# Altium PCB spd150.PcbDoc (part 1 of 16)
Units mm, origin at the board's own origin, x right, y up, seen from the top; angles counter-clockwise.
Board outline 217.35 x 147.5 mm, 10 copper layers (TOP, LYR2-PLN, LYR3-SIG, LYR4-SIG, LYR5-PLN, LYR6-PLN, LYR7-SIG, LYR8-SIG, LYR9-PLN, BOTTOM), stack 2.134 mm thick; 1065 components, 972 nets, 4226 pads, 2810 vias.
Unrouted connection lines stored in the file: 16.
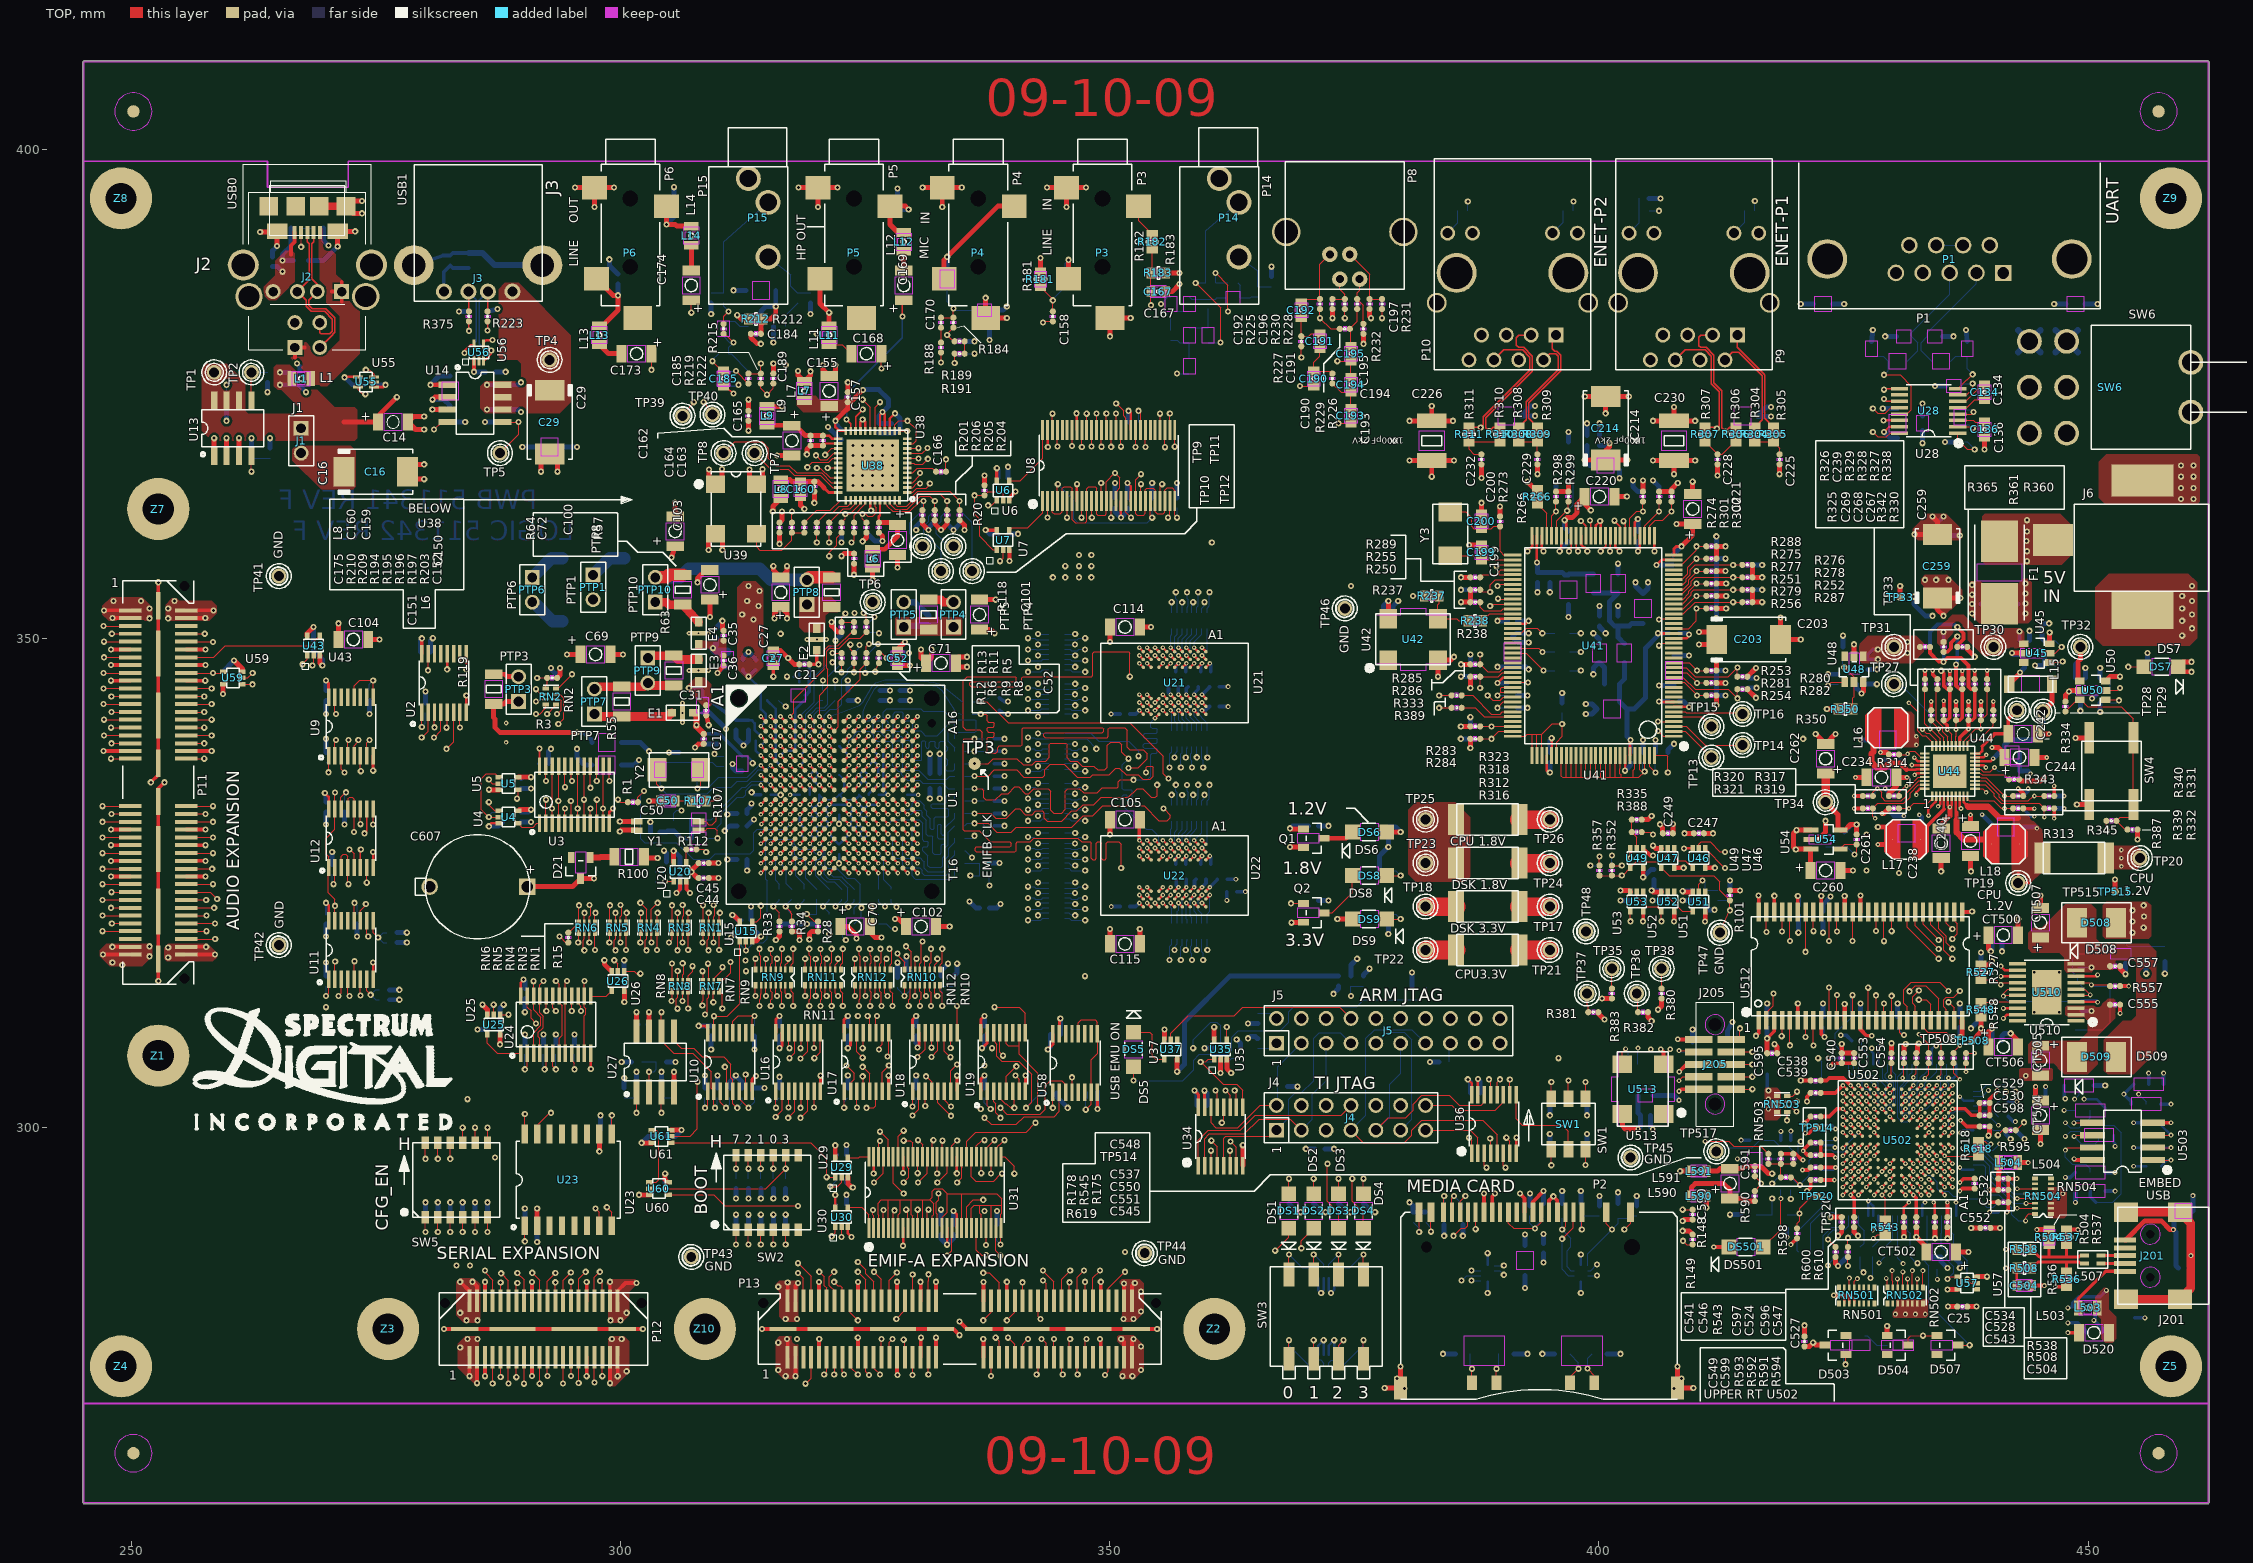
[diagram p0: TOP view]
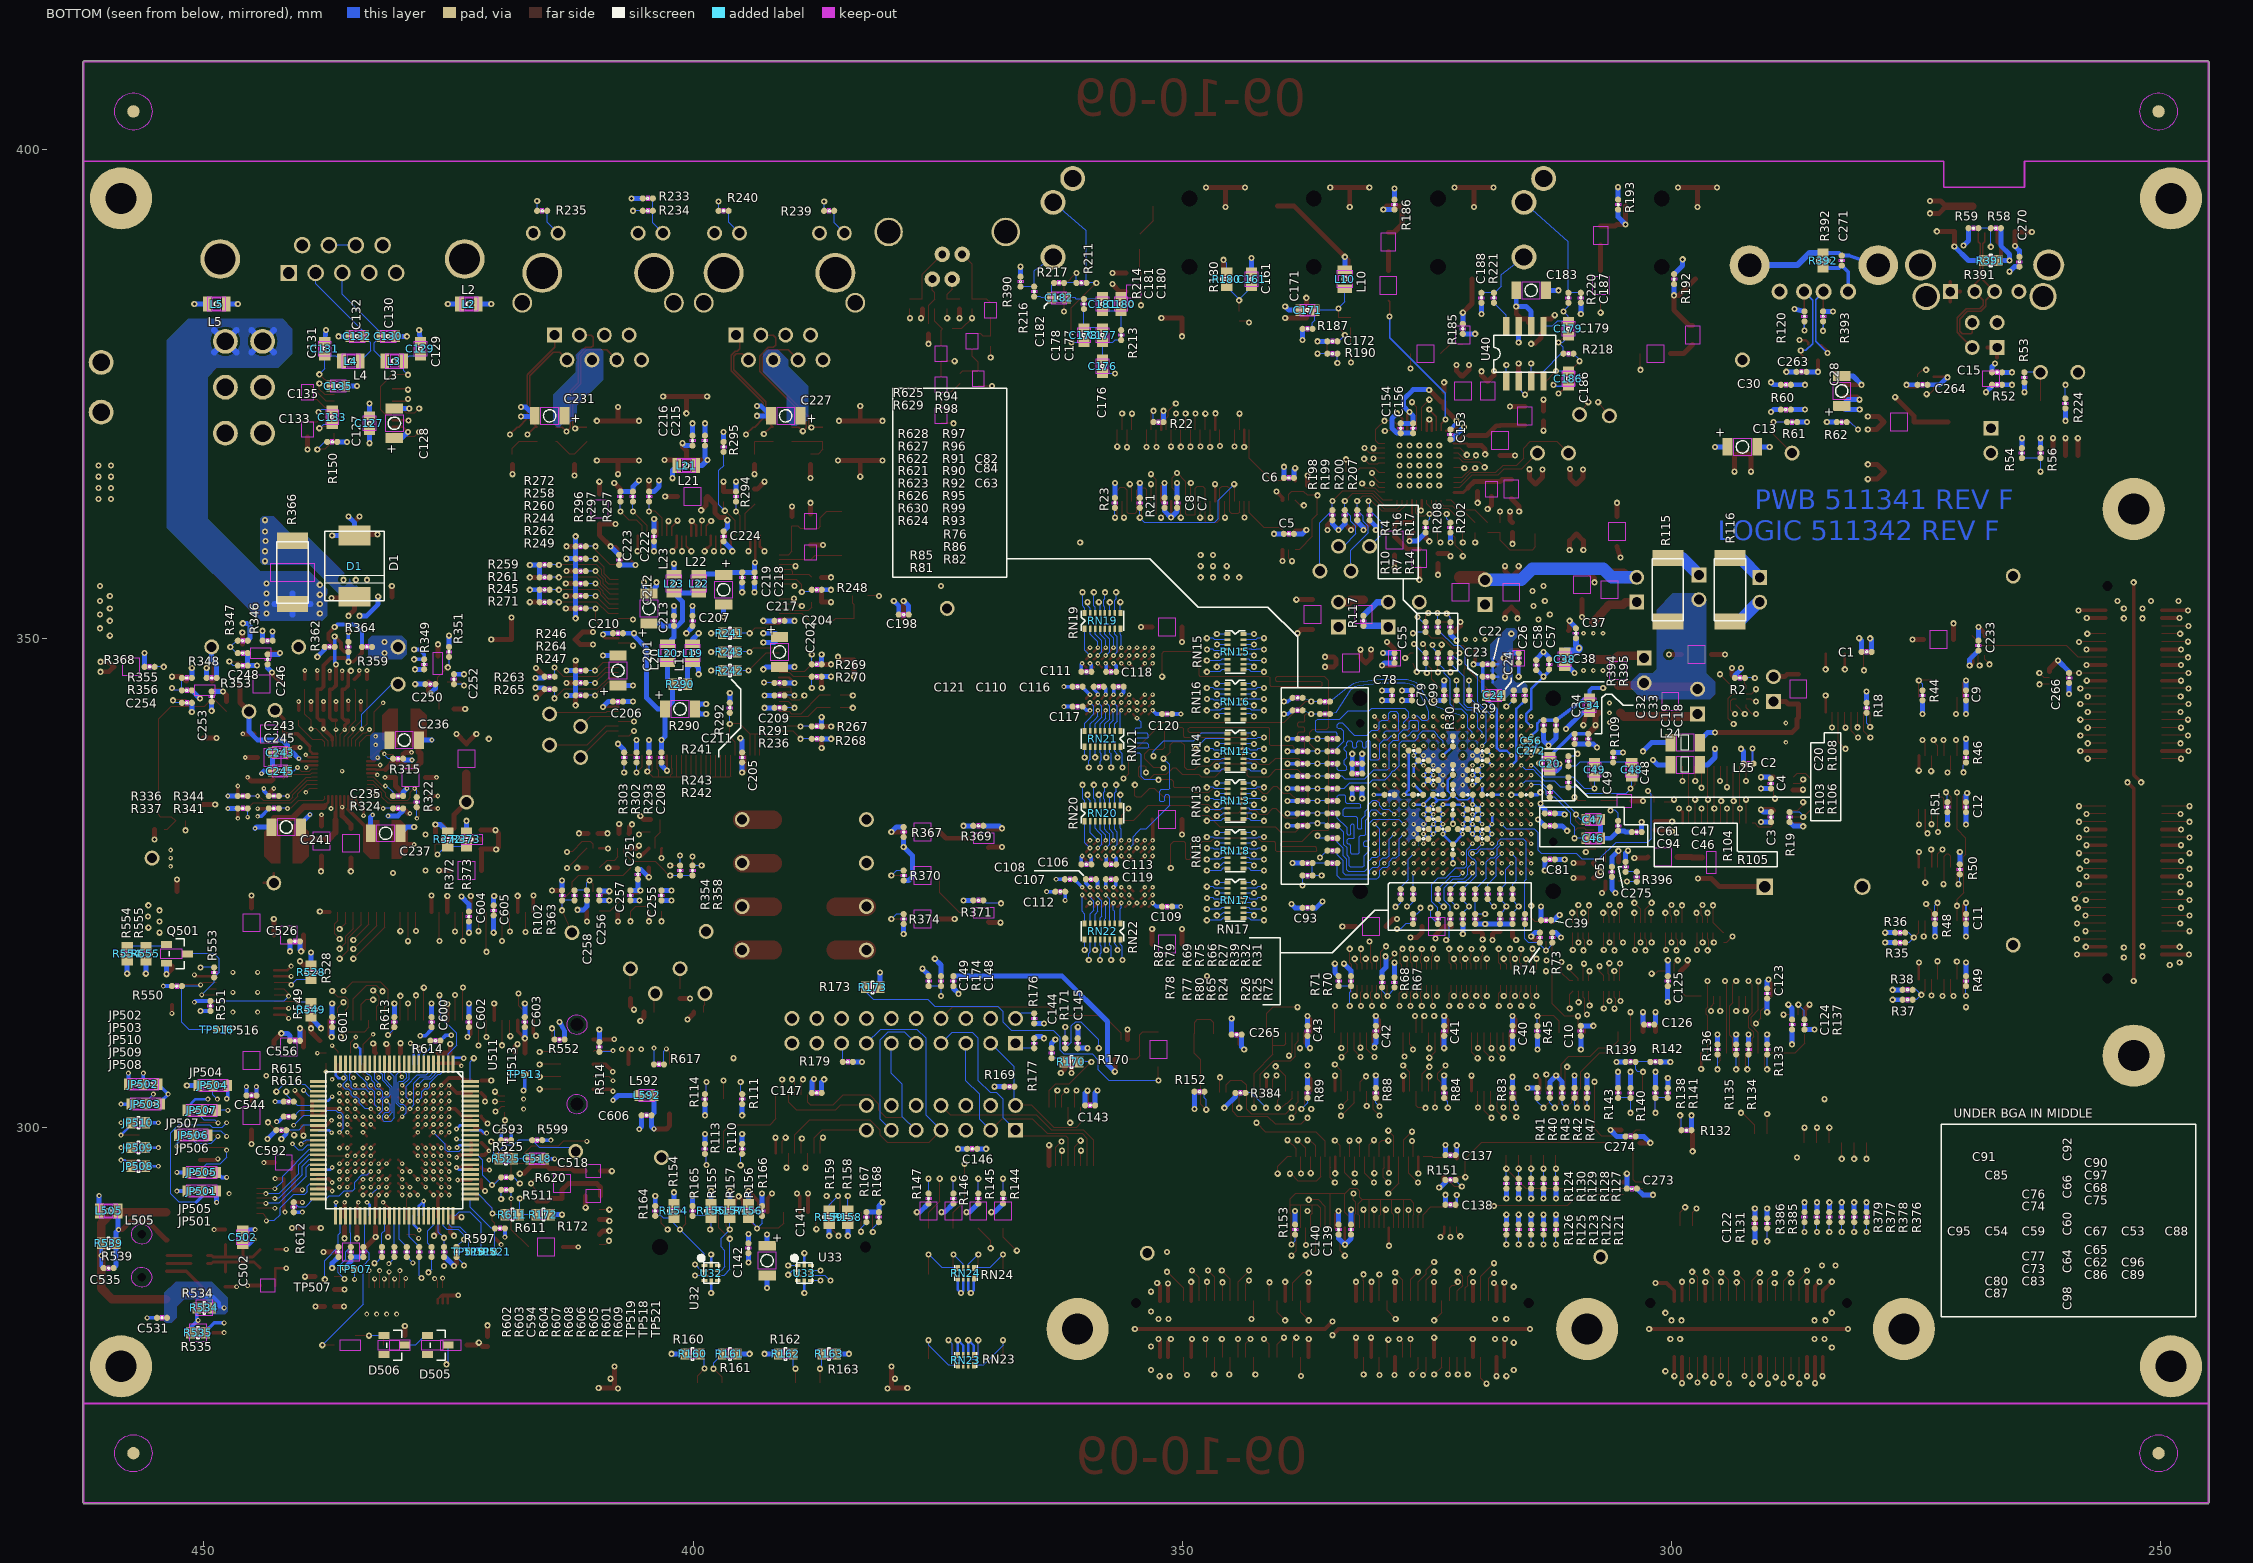
[diagram p1: BOTTOM view, seen from below]
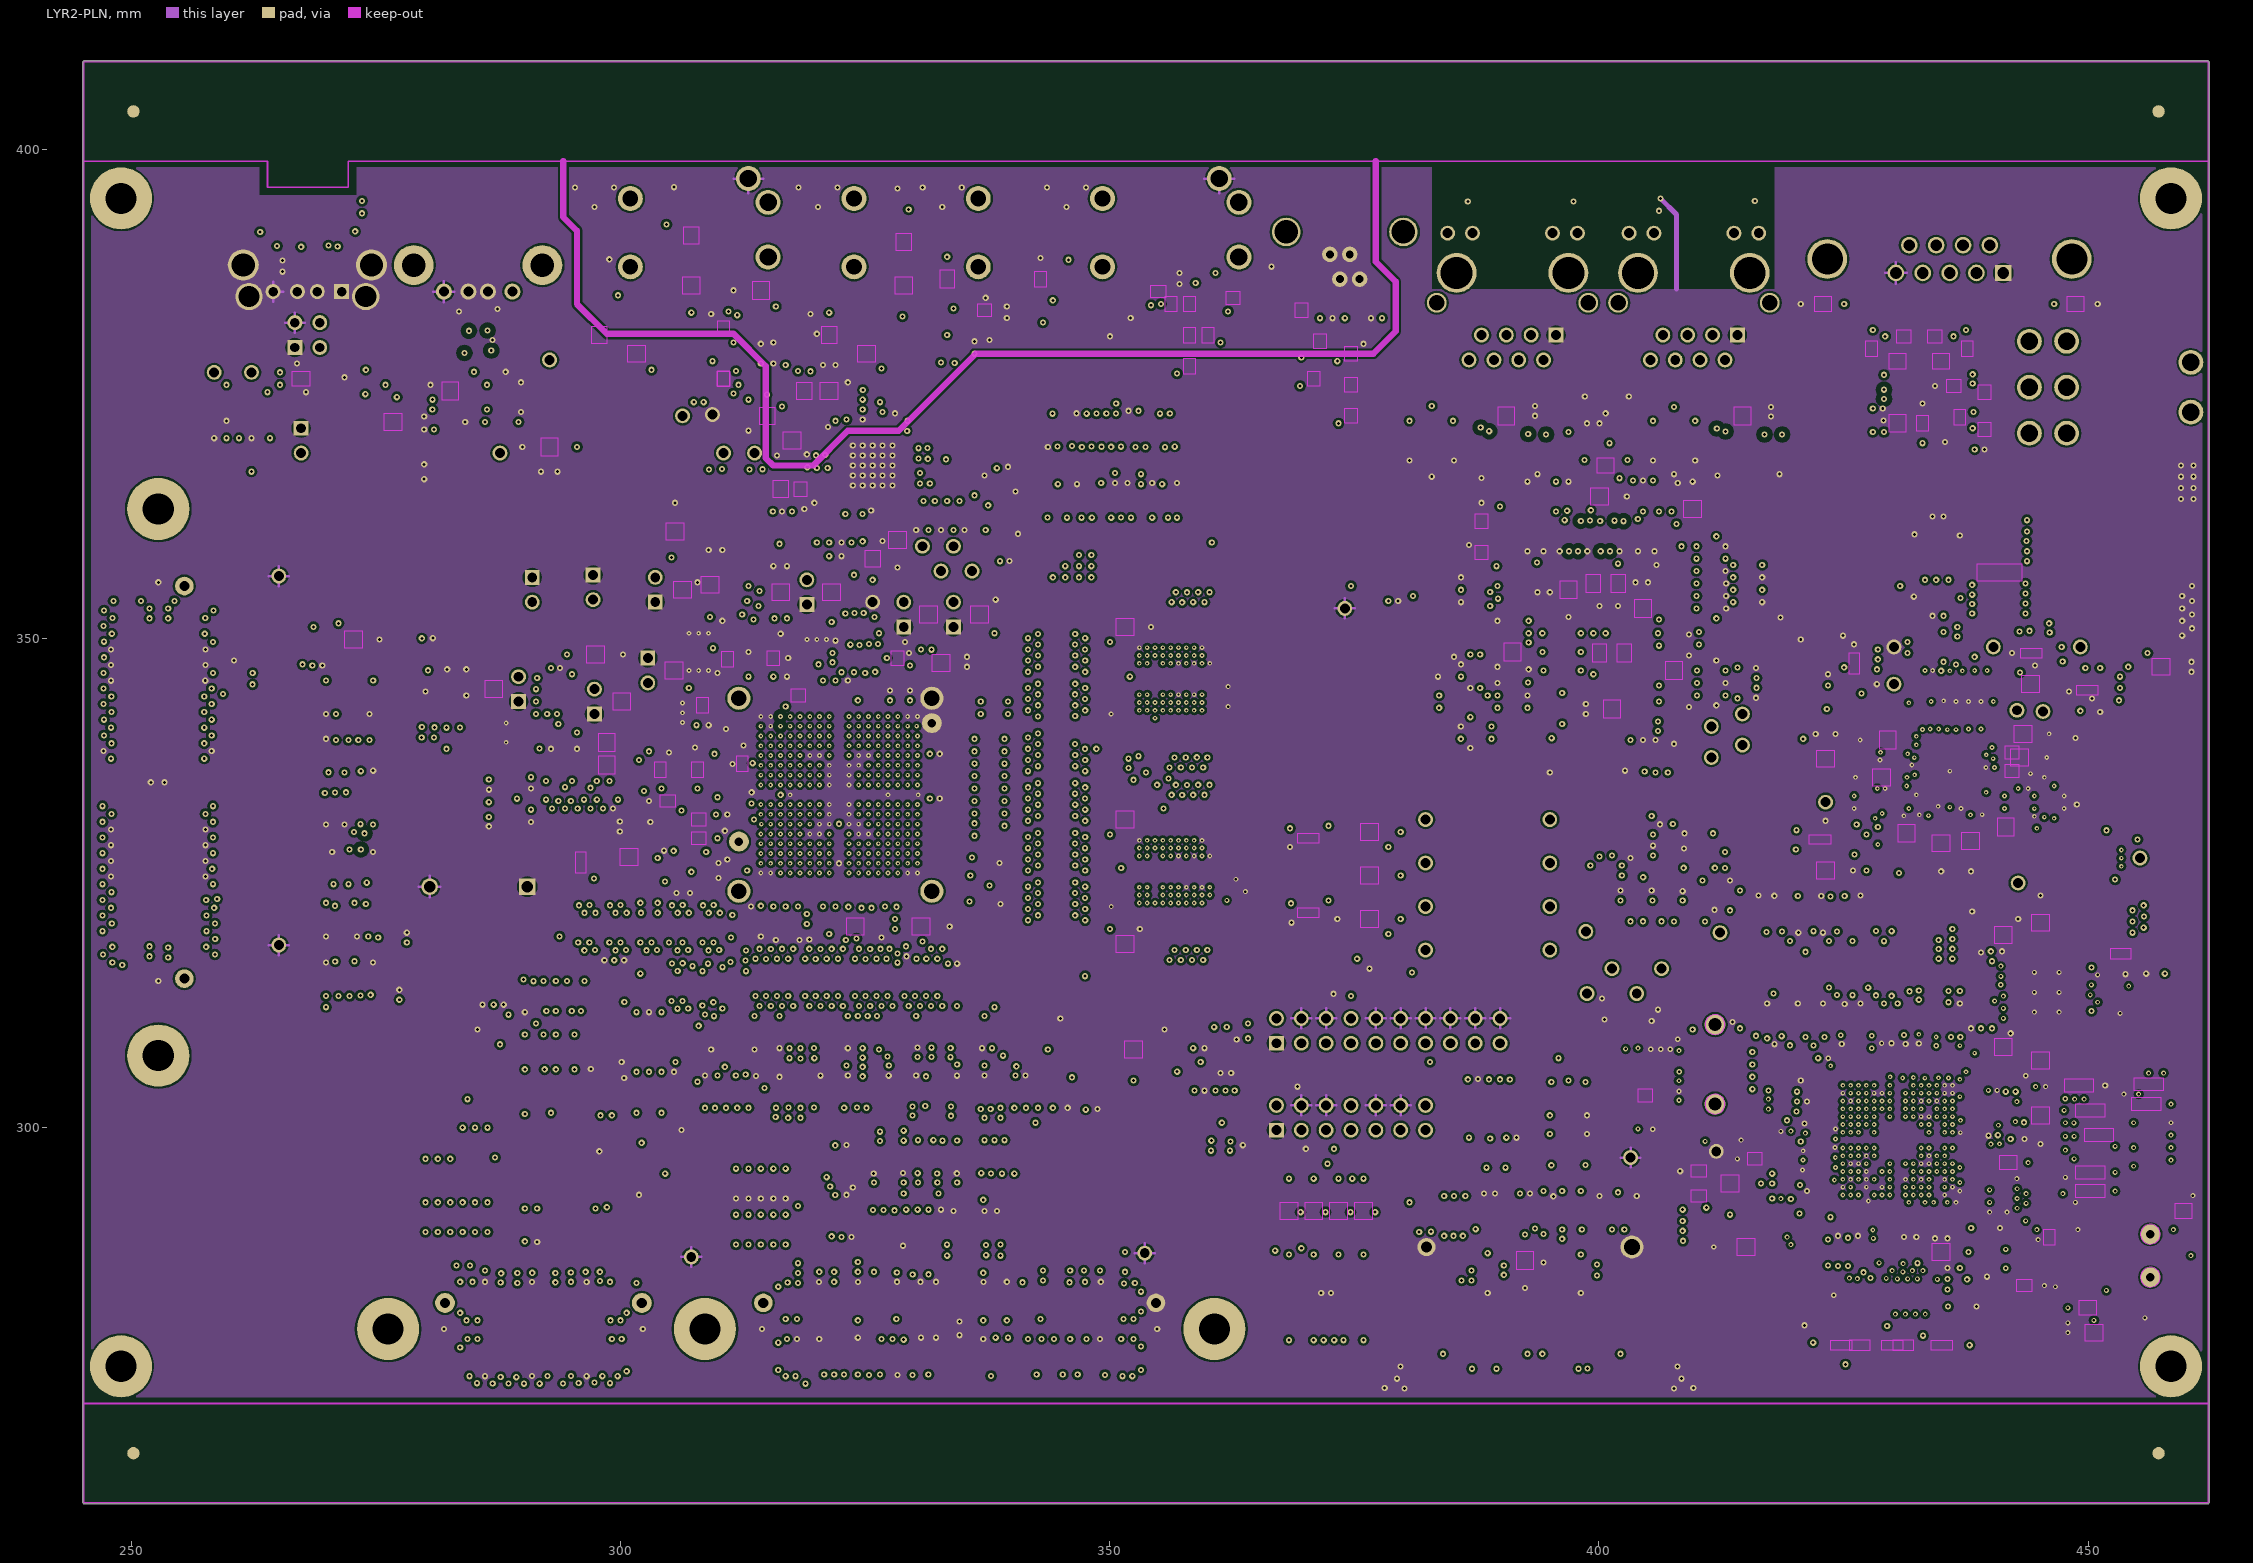
[diagram p2: LYR2-PLN]
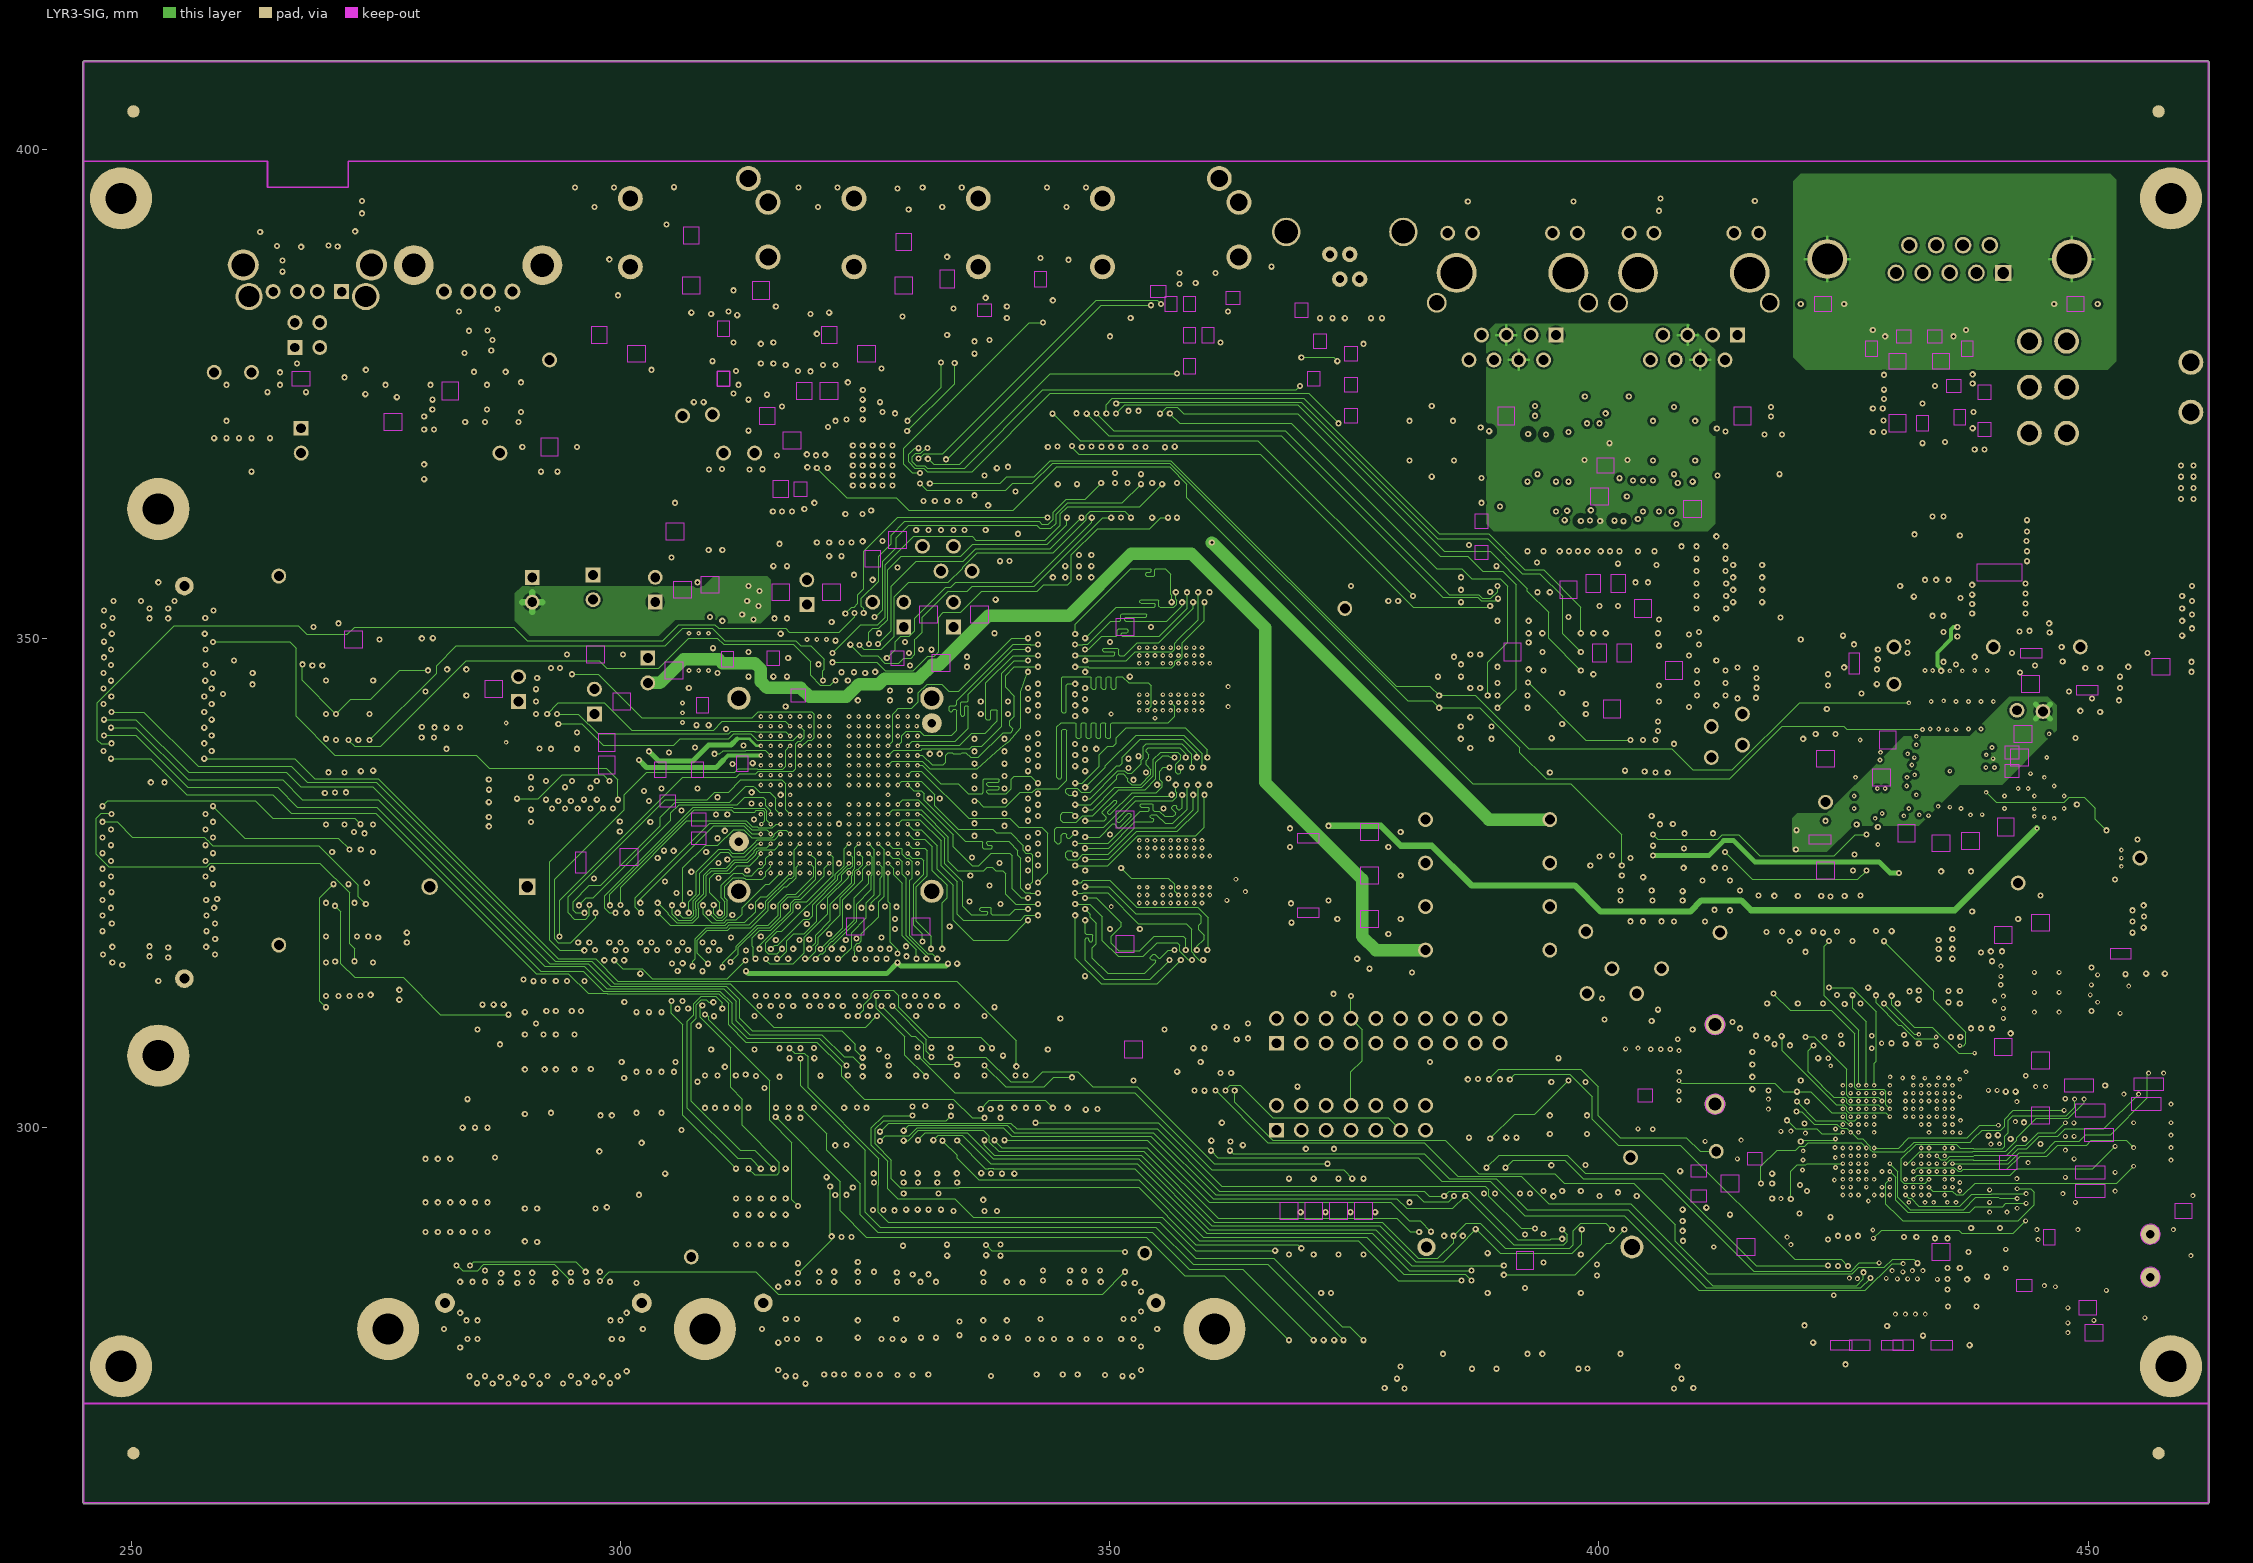
[diagram p3: LYR3-SIG]

## Text inside footprints (layer, text, board x,y; h text height)
U1: PIN_NUMBER "F3" at 316.621,336.512 h0.25 r270; PIN_NUMBER "H4" at 317.622,334.51 h0.25 r270; PIN_NUMBER "E1" at 314.62,337.513 h0.25 r270; PIN_NUMBER "T8" at 321.625,326.504 h0.25 r270; PIN_NUMBER "P7" at 320.624,328.506 h0.25 r270; PIN_NUMBER "D5" at 318.623,338.513 h0.25 r270; PIN_NUMBER "P10" at 323.525,328.506 h0.25 r270; PIN_NUMBER "T11" at 324.526,326.504 h0.25 r270; PIN_NUMBER "R11" at 324.526,327.505 h0.25 r270; PIN_NUMBER "D8" at 321.625,338.513 h0.25 r270; PIN_NUMBER "C4" at 317.622,339.514 h0.25 r270; PIN_NUMBER "H15" at 328.529,334.51 h0.25 r270; PIN_NUMBER "L4" at 317.622,331.508 h0.25 r270; PIN_NUMBER "J14" at 327.528,333.51 h0.25 r270; PIN_NUMBER "K13" at 326.527,332.509 h0.25 r270; PIN_NUMBER "K4" at 317.622,332.509 h0.25 r270; PIN_NUMBER "K16" at 329.529,332.509 h0.25 r270; PIN_NUMBER "R2" at 315.62,327.505 h0.25 r270; PIN_NUMBER "L14" at 327.528,331.508 h0.25 r270; PIN_NUMBER "A6" at 319.623,341.516 h0.25 r270; PIN_NUMBER "L15" at 328.529,331.508 h0.25 r270; PIN_NUMBER "M4" at 317.622,330.507 h0.25 r270; PIN_NUMBER "A13" at 326.527,341.516 h0.25 r270; PIN_NUMBER "T4" at 317.622,326.504 h0.25 r270; PIN_NUMBER "B14" at 327.528,340.515 h0.25 r270; PIN_NUMBER "B8" at 321.625,340.515 h0.25 r270; PIN_NUMBER "A14" at 327.528,341.516 h0.25 r270; PIN_NUMBER "K2" at 315.62,332.509 h0.25 r270; PIN_NUMBER "P1" at 314.62,328.506 h0.25 r270; PIN_NUMBER "D7" at 320.624,338.513 h0.25 r270; PIN_NUMBER "E14" at 327.528,337.513 h0.25 r270; PIN_NUMBER "E15" at 328.529,337.513 h0.25 r270; PIN_NUMBER "F14" at 327.528,336.512 h0.25 r270; PIN_NUMBER "F15" at 328.529,336.512 h0.25 r270; PIN_NUMBER "G1" at 314.62,335.511 h0.25 r270; PIN_NUMBER "F13" at 326.527,336.512 h0.25 r270; PIN_NUMBER "C13" at 326.527,339.514 h0.25 r270; PIN_NUMBER "A8" at 321.625,341.516 h0.25 r270; PIN_NUMBER "E16" at 329.529,337.513 h0.25 r270; PIN_NUMBER "D9" at 322.626,338.513 h0.25 r270; PIN_NUMBER "C14" at 327.528,339.514 h0.25 r270; PIN_NUMBER "L13" at 326.527,331.508 h0.25 r270; PIN_NUMBER "A11" at 324.526,341.516 h0.25 r270; PIN_NUMBER "A9" at 322.626,341.516 h0.25 r270; PIN_NUMBER "E13" at 326.527,337.513 h0.25 r270; PIN_NUMBER "D12" at 325.526,338.513 h0.25 r270; PIN_NUMBER "B12" at 325.526,340.515 h0.25 r270; PIN_NUMBER "B15" at 328.529,340.515 h0.25 r270; PIN_NUMBER "C12" at 325.526,339.514 h0.25 r270; PIN_NUMBER "B11" at 324.526,340.515 h0.25 r270; PIN_NUMBER "D16" at 329.529,338.513 h0.25 r270; PIN_NUMBER "B10" at 323.525,340.515 h0.25 r270; PIN_NUMBER "A10" at 323.525,341.516 h0.25 r270; PIN_NUMBER "C9" at 322.626,339.514 h0.25 r270; PIN_NUMBER "R3" at 316.621,327.505 h0.25 r270; PIN_NUMBER "D10" at 323.525,338.513 h0.25 r270; PIN_NUMBER "C11" at 324.526,339.514 h0.25 r270; PIN_NUMBER "C10" at 323.525,339.514 h0.25 r270; PIN_NUMBER "T5" at 318.623,326.504 h0.25 r270; PIN_NUMBER "D11" at 324.526,338.513 h0.25 r270; PIN_NUMBER "P5" at 318.623,328.506 h0.25 r270; PIN_NUMBER "D15" at 328.529,338.513 h0.25 r270; PIN_NUMBER "B9" at 322.626,340.515 h0.25 r270; PIN_NUMBER "R4" at 317.622,327.505 h0.25 r270; PIN_NUMBER "K14" at 327.528,332.509 h0.25 r270; PIN_NUMBER "D14" at 327.528,338.513 h0.25 r270; PIN_NUMBER "A12" at 325.526,341.516 h0.25 r270; PIN_NUMBER "D6" at 319.623,338.513 h0.25 r270; PIN_NUMBER "B13" at 326.527,340.515 h0.25 r270; PIN_NUMBER "C15" at 328.529,339.514 h0.25 r270; PIN_NUMBER "D13" at 326.527,338.513 h0.25 r270; PIN_NUMBER "K15" at 328.529,332.509 h0.25 r270; PIN_NUMBER "N5" at 318.623,329.507 h0.25 r270; PIN_NUMBER "T6" at 319.623,326.504 h0.25 r270; PIN_NUMBER "C16" at 329.529,339.514 h0.25 r270; PIN_NUMBER "G15" at 328.529,335.511 h0.25 r270; PIN_NUMBER "H14" at 327.528,334.51 h0.25 r270; PIN_NUMBER "G4" at 317.622,335.511 h0.25 r270; PIN_NUMBER "F4" at 317.622,336.512 h0.25 r270; PIN_NUMBER "N4" at 317.622,329.507 h0.25 r270; PIN_NUMBER "J16" at 329.529,333.51 h0.25 r270; PIN_NUMBER "C6" at 319.623,339.514 h0.25 r270; PIN_NUMBER "P6" at 319.623,328.506 h0.25 r270; PIN_NUMBER "J15" at 328.529,333.51 h0.25 r270; PIN_NUMBER "P4" at 317.622,328.506 h0.25 r270; PIN_NUMBER "R6" at 319.623,327.505 h0.25 r270; PIN_NUMBER "J13" at 326.527,333.51 h0.25 r270; PIN_NUMBER "H16" at 329.529,334.51 h0.25 r270; PIN_NUMBER "R5" at 318.623,327.505 h0.25 r270; PIN_NUMBER "H13" at 326.527,334.51 h0.25 r270; PIN_NUMBER "P3" at 316.621,328.506 h0.25 r270; PIN_NUMBER "G16" at 329.529,335.511 h0.25 r270; PIN_NUMBER "G13" at 326.527,335.511 h0.25 r270; PIN_NUMBER "G14" at 327.528,335.511 h0.25 r270; PIN_NUMBER "F16" at 329.529,336.512 h0.25 r270; PIN_NUMBER "D3" at 316.621,338.513 h0.25 r270; PIN_NUMBER "H5" at 318.623,334.51 h0.25 r270; PIN_NUMBER "E4" at 317.622,337.513 h0.25 r270; PIN_NUMBER "E3" at 316.621,337.513 h0.25 r270; PIN_NUMBER "J4" at 317.622,333.51 h0.25 r270; PIN_NUMBER "D2" at 315.62,338.513 h0.25 r270; PIN_NUMBER "J5" at 318.623,333.51 h0.25 r270; PIN_NUMBER "C3" at 316.621,339.514 h0.25 r270; PIN_NUMBER "H3" at 316.621,334.51 h0.25 r270; PIN_NUMBER "B1" at 314.62,340.515 h0.25 r270; PIN_NUMBER "H1" at 314.62,334.51 h0.25 r270; PIN_NUMBER "C2" at 315.62,339.514 h0.25 r270; PIN_NUMBER "F2" at 315.62,336.512 h0.25 r270; PIN_NUMBER "C1" at 314.62,339.514 h0.25 r270; PIN_NUMBER "G2" at 315.62,335.511 h0.25 r270; PIN_NUMBER "H2" at 315.62,334.51 h0.25 r270; PIN_NUMBER "J1" at 314.62,333.51 h0.25 r270; PIN_NUMBER "R7" at 320.624,327.505 h0.25 r270; PIN_NUMBER "J2" at 315.62,333.51 h0.25 r270; PIN_NUMBER "J3" at 316.621,333.51 h0.25 r270; PIN_NUMBER "G3" at 316.621,335.511 h0.25 r270; PIN_NUMBER "K1" at 314.62,332.509 h0.25 r270; PIN_NUMBER "F1" at 314.62,336.512 h0.25 r270; PIN_NUMBER "E2" at 315.62,337.513 h0.25 r270; PIN_NUMBER "M16" at 329.529,330.507 h0.25 r270; PIN_NUMBER "N14" at 327.528,329.507 h0.25 r270; PIN_NUMBER "R12" at 325.526,327.505 h0.25 r270; PIN_NUMBER "F6" at 319.623,336.512 h0.25 r270; PIN_NUMBER "G7" at 320.624,335.511 h0.25 r270; PIN_NUMBER "G6" at 319.623,335.511 h0.25 r270; PIN_NUMBER "H7" at 320.624,334.51 h0.25 r270; PIN_NUMBER "K7" at 320.624,332.509 h0.25 r270; PIN_NUMBER "J7" at 320.624,333.51 h0.25 r270; PIN_NUMBER "J10" at 323.525,333.51 h0.25 r270; PIN_NUMBER "J12" at 325.526,333.51 h0.25 r270; PIN_NUMBER "J11" at 324.526,333.51 h0.25 r270; PIN_NUMBER "K10" at 323.525,332.509 h0.25 r270; PIN_NUMBER "K11" at 324.526,332.509 h0.25 r270; PIN_NUMBER "J6" at 319.623,333.51 h0.25 r270; PIN_NUMBER "K6" at 319.623,332.509 h0.25 r270; PIN_NUMBER "L6" at 319.623,331.508 h0.25 r270; PIN_NUMBER "G10" at 323.525,335.511 h0.25 r270; PIN_NUMBER "G11" at 324.526,335.511 h0.25 r270; PIN_NUMBER "H11" at 324.526,334.51 h0.25 r270; PIN_NUMBER "H10" at 323.525,334.51 h0.25 r270; PIN_NUMBER "D1" at 314.62,338.513 h0.25 r270; PIN_NUMBER "N16" at 329.529,329.507 h0.25 r270; PIN_NUMBER "P14" at 327.528,328.506 h0.25 r270; PIN_NUMBER "R1" at 314.62,327.505 h0.25 r270; PIN_NUMBER "R16" at 329.529,327.505 h0.25 r270; PIN_NUMBER "L5" at 318.623,331.508 h0.25 r270; PIN_NUMBER "K5" at 318.623,332.509 h0.25 r270; PIN_NUMBER "M5" at 318.623,330.507 h0.25 r270; PIN_NUMBER "K12" at 325.526,332.509 h0.25 r270; PIN_NUMBER "L12" at 325.526,331.508 h0.25 r270; PIN_NUMBER "L11" at 324.526,331.508 h0.25 r270; PIN_NUMBER "M12" at 325.526,330.507 h0.25 r270; PIN_NUMBER "M9" at 322.626,330.507 h0.25 r270; PIN_NUMBER "M8" at 321.625,330.507 h0.25 r270; PIN_NUMBER "G5" at 318.623,335.511 h0.25 r270; PIN_NUMBER "F5" at 318.623,336.512 h0.25 r270; PIN_NUMBER "E5" at 318.623,337.513 h0.25 r270; PIN_NUMBER "F12" at 325.526,336.512 h0.25 r270; PIN_NUMBER "G12" at 325.526,335.511 h0.25 r270; PIN_NUMBER "E12" at 325.526,337.513 h0.25 r270; PIN_NUMBER "F11" at 324.526,336.512 h0.25 r270; PIN_NUMBER "E9" at 322.626,337.513 h0.25 r270; PIN_NUMBER "E8" at 321.625,337.513 h0.25 r270; PIN_NUMBER "B16" at 329.529,340.515 h0.25 r270; PIN_NUMBER "P16" at 329.529,328.506 h0.25 r270; PIN_NUMBER "F7" at 320.624,336.512 h0.25 r270; PIN_NUMBER "R8" at 321.625,327.505 h0.25 r270; PIN_NUMBER "M13" at 326.527,330.507 h0.25 r270; PIN_NUMBER "P8" at 321.625,328.506 h0.25 r270; PIN_NUMBER "T12" at 325.526,326.504 h0.25 r270; PIN_NUMBER "T10" at 323.525,326.504 h0.25 r270; PIN_NUMBER "P9" at 322.626,328.506 h0.25 r270; PIN_NUMBER "N9" at 322.626,329.507 h0.25 r270; PIN_NUMBER "R10" at 323.525,327.505 h0.25 r270; PIN_NUMBER "T9" at 322.626,326.504 h0.25 r270; PIN_NUMBER "R9" at 322.626,327.505 h0.25 r270; PIN_NUMBER "N11" at 324.526,329.507 h0.25 r270; PIN_NUMBER "M15" at 328.529,330.507 h0.25 r270; PIN_NUMBER "N13" at 326.527,329.507 h0.25 r270; PIN_NUMBER "A4" at 317.622,341.516 h0.25 r270; PIN_NUMBER "N15" at 328.529,329.507 h0.25 r270; PIN_NUMBER "P13" at 326.527,328.506 h0.25 r270; PIN_NUMBER "A5" at 318.623,341.516 h0.25 r270; PIN_NUMBER "K3" at 316.621,332.509 h0.25 r270; PIN_NUMBER "P15" at 328.529,328.506 h0.25 r270; PIN_NUMBER "M3" at 316.621,330.507 h0.25 r270; PIN_NUMBER "M14" at 327.528,330.507 h0.25 r270; PIN_NUMBER "T3" at 316.621,326.504 h0.25 r270; PIN_NUMBER "N8" at 321.625,329.507 h0.25 r270; PIN_NUMBER "R13" at 326.527,327.505 h0.25 r270; PIN_NUMBER "H6" at 319.623,334.51 h0.25 r270; PIN_NUMBER "H12" at 325.526,334.51 h0.25 r270; PIN_NUMBER "R15" at 328.529,327.505 h0.25 r270; PIN_NUMBER "B4" at 317.622,340.515 h0.25 r270; PIN_NUMBER "T13" at 326.527,326.504 h0.25 r270; PIN_NUMBER "N3" at 316.621,329.507 h0.25 r270; PIN_NUMBER "P12" at 325.526,328.506 h0.25 r270; PIN_NUMBER "N1" at 314.62,329.507 h0.25 r270; PIN_NUMBER "C8" at 321.625,339.514 h0.25 r270; PIN_NUMBER "B7" at 320.624,340.515 h0.25 r270; PIN_NUMBER "R14" at 327.528,327.505 h0.25 r270; PIN_NUMBER "L1" at 314.62,331.508 h0.25 r270; PIN_NUMBER "N7" at 320.624,329.507 h0.25 r270; PIN_NUMBER "P11" at 324.526,328.506 h0.25 r270; PIN_NUMBER "T14" at 327.528,326.504 h0.25 r270; PIN_NUMBER "N10" at 323.525,329.507 h0.25 r270; PIN_NUMBER "A3" at 316.621,341.516 h0.25 r270; PIN_NUMBER "B3" at 316.621,340.515 h0.25 r270; PIN_NUMBER "B6" at 319.623,340.515 h0.25 r270; PIN_NUMBER "B5" at 318.623,340.515 h0.25 r270; PIN_NUMBER "N12" at 325.526,329.507 h0.25 r270; PIN_NUMBER "C7" at 320.624,339.514 h0.25 r270; PIN_NUMBER "L16" at 329.529,331.508 h0.25 r270; PIN_NUMBER "T7" at 320.624,326.504 h0.25 r270; PIN_NUMBER "L2" at 315.62,331.508 h0.25 r270; PIN_NUMBER "M1" at 314.62,330.507 h0.25 r270; PIN_NUMBER "N6" at 319.623,329.507 h0.25 r270; PIN_NUMBER "P2" at 315.62,328.506 h0.25 r270; PIN_NUMBER "C5" at 318.623,339.514 h0.25 r270; PIN_NUMBER "A7" at 320.624,341.516 h0.25 r270; PIN_NUMBER "D4" at 317.622,338.513 h0.25 r270; PIN_NUMBER "L3" at 316.621,331.508 h0.25 r270; PIN_NUMBER "M2" at 315.62,330.507 h0.25 r270; PIN_NUMBER "T2" at 315.62,326.504 h0.25 r270; PIN_NUMBER "T1" at 314.62,326.504 h0.25 r270; PIN_NUMBER "T16" at 329.529,326.504 h0.25 r270; PIN_NUMBER "T15" at 328.529,326.504 h0.25 r270; PIN_NUMBER "L8" at 321.625,331.508 h0.25 r270; PIN_NUMBER "M6" at 319.623,330.507 h0.25 r270; PIN_NUMBER "L7" at 320.624,331.508 h0.25 r270; PIN_NUMBER "M7" at 320.624,330.507 h0.25 r270; PIN_NUMBER "K9" at 322.626,332.509 h0.25 r270; PIN_NUMBER "J9" at 322.626,333.51 h0.25 r270; PIN_NUMBER "M11" at 324.526,330.507 h0.25 r270; PIN_NUMBER "L9" at 322.626,331.508 h0.25 r270; PIN_NUMBER "M10" at 323.525,330.507 h0.25 r270; PIN_NUMBER "L10" at 323.525,331.508 h0.25 r270; PIN_NUMBER "J8" at 321.625,333.51 h0.25 r270; PIN_NUMBER "K8" at 321.625,332.509 h0.25 r270; PIN_NUMBER "H9" at 322.626,334.51 h0.25 r270; PIN_NUMBER "H8" at 321.625,334.51 h0.25 r270; PIN_NUMBER "E6" at 319.623,337.513 h0.25 r270; PIN_NUMBER "E7" at 320.624,337.513 h0.25 r270; PIN_NUMBER "G9" at 322.626,335.511 h0.25 r270; PIN_NUMBER "G8" at 321.625,335.511 h0.25 r270; PIN_NUMBER "F9" at 322.626,336.512 h0.25 r270; PIN_NUMBER "F10" at 323.525,336.512 h0.25 r270; PIN_NUMBER "E10" at 323.525,337.513 h0.25 r270; PIN_NUMBER "E11" at 324.526,337.513 h0.25 r270; PIN_NUMBER "F8" at 321.625,336.512 h0.25 r270; PIN_NUMBER "A2" at 315.62,341.516 h0.25 r270; PIN_NUMBER "A1" at 314.62,341.516 h0.25 r270; PIN_NUMBER "B2" at 315.62,340.515 h0.25 r270; PIN_NUMBER "A16" at 329.529,341.516 h0.25 r270; PIN_NUMBER "A15" at 328.529,341.516 h0.25 r270; PIN_NUMBER "N2" at 315.62,329.507 h0.25 r270; ASSEMBLY_TOP "PART#" at 322.036,323.685 h1.02; ASSEMBLY_TOP "TOL" at 323.154,323.659 h1.02; ASSEMBLY_TOP "OMAPL137AZKB3" at 322.29,323.71 h1.02
U2: PIN_NUMBER "1" at 279.461,342.174 h0.51; PIN_NUMBER "15" at 280.086,348.427 h0.51 r90; PIN_NUMBER "4" at 281.412,342.174 h0.51; PIN_NUMBER "7" at 283.362,342.174 h0.51; PIN_NUMBER "6" at 282.712,342.174 h0.51; PIN_NUMBER "16" at 279.436,348.427 h0.51 r90; PIN_NUMBER "2" at 280.111,342.174 h0.51; PIN_NUMBER "5" at 282.062,342.174 h0.51; PIN_NUMBER "3" at 280.761,342.174 h0.51; PIN_NUMBER "12" at 282.037,348.427 h0.51 r90; PIN_NUMBER "8" at 284.013,342.174 h0.51; PIN_NUMBER "9" at 284.19,348.427 h0.51 r90; PIN_NUMBER "13" at 281.386,348.427 h0.51 r90; PIN_NUMBER "14" at 280.736,348.427 h0.51 r90; PIN_NUMBER "10" at 283.337,348.427 h0.51 r90; PIN_NUMBER "11" at 282.687,348.427 h0.51 r90; ASSEMBLY_TOP "X" at 282.88,345.948 h1.02; ASSEMBLY_TOP "X" at 281.991,345.948 h1.02; ASSEMBLY_TOP "SN74CBTLV3257PW" at 281.102,345.948 h1.02; SYMB_DIM "0" at 272.593,344.932 h1.02; SYMB_DIM "0" at 281.432,338.455 h1.02; SYMB_DIM "TSSOP16-14X70" at 274.955,356.87 h1.02; SYMB_DIM "PAD 14X70 OV" at 275.717,331.724 h1.02
U3: PIN_NUMBER "2" at 292.247,331.089 h0.25; PIN_NUMBER "23" at 292.146,336.931 h0.25; PIN_NUMBER "20" at 294.096,336.931 h0.25; PIN_NUMBER "19" at 294.747,336.931 h0.25; PIN_NUMBER "16" at 296.697,336.931 h0.25; PIN_NUMBER "18" at 295.397,336.931 h0.25; PIN_NUMBER "7" at 295.499,331.089 h0.25; PIN_NUMBER "15" at 297.348,336.931 h0.25; PIN_NUMBER "11" at 297.998,331.089 h0.25; PIN_NUMBER "14" at 297.998,336.931 h0.25; PIN_NUMBER "24" at 291.495,336.931 h0.25; PIN_NUMBER "13" at 298.648,336.931 h0.25; PIN_NUMBER "1" at 291.597,331.089 h0.25; PIN_NUMBER "21" at 293.446,336.931 h0.25; PIN_NUMBER "4" at 293.548,331.089 h0.25; PIN_NUMBER "22" at 292.796,336.931 h0.25; PIN_NUMBER "3" at 292.898,331.089 h0.25; PIN_NUMBER "17" at 296.047,336.931 h0.25; PIN_NUMBER "8" at 296.149,331.089 h0.25; PIN_NUMBER "9" at 296.799,331.089 h0.25; PIN_NUMBER "5" at 294.198,331.089 h0.25; PIN_NUMBER "10" at 297.348,331.089 h0.25; PIN_NUMBER "6" at 294.848,331.089 h0.25; PIN_NUMBER "12" at 298.648,331.089 h0.25; ASSEMBLY_TOP "X" at 295.6,331.089 h1.02; ASSEMBLY_TOP "X" at 295.041,330.962 h1.02; ASSEMBLY_TOP "SN74CBTLV3384PW" at 294.406,330.962 h1.02
U4: PIN_NUMBER "2" at 287.147,331.724 h1.02 r270; PIN_NUMBER "1" at 287.147,332.374 h1.02 r270; PIN_NUMBER "5" at 289.128,332.374 h1.02 r270; PIN_NUMBER "4" at 289.128,331.074 h1.02 r270; PIN_NUMBER "3" at 287.147,331.074 h1.02 r270; ASSEMBLY_TOP "SN74LVC1G32DCKRG4" at 289.583,334.294 h1.02 r270; ASSEMBLY_TOP "TOL" at 290.723,333.144 h1.02 r270; ASSEMBLY_TOP "PART#" at 285.473,334.673 h1.02 r270; SYMB_DIM "0" at 291.333,332.105 h0.76 r270; SYMB_DIM "0" at 288.163,329.565 h0.76 r270
U5: PIN_NUMBER "1" at 287.147,335.803 h1.02 r270; PIN_NUMBER "5" at 289.128,335.803 h1.02 r270; PIN_NUMBER "4" at 289.128,334.503 h1.02 r270; PIN_NUMBER "2" at 287.147,335.153 h1.02 r270; PIN_NUMBER "3" at 287.147,334.503 h1.02 r270; ASSEMBLY_TOP "SN74LVC1G00DCKRG4" at 289.583,337.723 h1.02 r270; ASSEMBLY_TOP "TOL" at 290.723,336.573 h1.02 r270; ASSEMBLY_TOP "PART#" at 285.473,338.102 h1.02 r270; SYMB_DIM "0" at 291.333,335.534 h0.76 r270; SYMB_DIM "0" at 288.163,332.994 h0.76 r270
U6: PIN_NUMBER "5" at 338.033,366.116 h1.02; PIN_NUMBER "2" at 338.684,364.134 h1.02; PIN_NUMBER "4" at 339.334,366.116 h1.02; PIN_NUMBER "1" at 338.033,364.134 h1.02; PIN_NUMBER "3" at 339.334,364.134 h1.02; ASSEMBLY_TOP "SN74LVC1G08DCKRG4" at 336.52,366.164 h1.02; ASSEMBLY_TOP "TOL" at 337.67,367.304 h1.02; ASSEMBLY_TOP "PART#" at 336.141,362.054 h1.02; SYMB_DIM "0" at 338.709,367.914 h0.76; SYMB_DIM "0" at 341.249,364.744 h0.76
U7: PIN_NUMBER "4" at 339.334,361.036 h1.02; PIN_NUMBER "2" at 338.684,359.054 h1.02; PIN_NUMBER "5" at 338.033,361.036 h1.02; PIN_NUMBER "1" at 338.033,359.054 h1.02; PIN_NUMBER "3" at 339.334,359.054 h1.02; ASSEMBLY_TOP "SN74LVC1G02DCKR" at 336.52,361.084 h1.02; ASSEMBLY_TOP "TOL" at 337.67,362.224 h1.02; ASSEMBLY_TOP "PART#" at 336.141,356.974 h1.02; SYMB_DIM "0" at 338.709,362.834 h0.76; SYMB_DIM "0" at 341.249,359.664 h0.76
U8: PIN_NUMBER "1" at 343.129,364.058 h0.38 r90; PIN_NUMBER "2" at 343.662,364.084 h0.38 r90; PIN_NUMBER "17" at 351.008,364.084 h0.38 r90; PIN_NUMBER "31" at 355.455,371.348 h0.38 r90; PIN_NUMBER "26" at 355.506,364.084 h0.38 r90; PIN_NUMBER "28" at 356.489,364.084 h0.38 r90; PIN_NUMBER "22" at 353.507,364.084 h0.38 r90; PIN_NUMBER "24" at 354.508,364.084 h0.38 r90; PIN_NUMBER "20" at 352.506,364.084 h0.38 r90; PIN_NUMBER "12" at 348.508,364.084 h0.38 r90; PIN_NUMBER "10" at 347.508,364.084 h0.38 r90; PIN_NUMBER "7" at 346.161,364.084 h0.38 r90; PIN_NUMBER "16" at 350.507,364.084 h0.38 r90; PIN_NUMBER "14" at 349.509,364.084 h0.38 r90; PIN_NUMBER "5" at 345.161,364.084 h0.38 r90; PIN_NUMBER "3" at 344.162,364.084 h0.38 r90; PIN_NUMBER "35" at 353.456,371.348 h0.38 r90; PIN_NUMBER "47" at 347.457,371.348 h0.38 r90; PIN_NUMBER "29" at 356.489,371.373 h0.38 r90; PIN_NUMBER "43" at 349.458,371.348 h0.38 r90; PIN_NUMBER "41" at 350.457,371.348 h0.38 r90; PIN_NUMBER "4" at 344.663,364.084 h0.38 r90; PIN_NUMBER "23" at 354.007,364.084 h0.38 r90; PIN_NUMBER "44" at 348.958,371.348 h0.38 r90; PIN_NUMBER "53" at 344.46,371.348 h0.38 r90; PIN_NUMBER "37" at 352.455,371.348 h0.38 r90; PIN_NUMBER "48" at 346.959,371.348 h0.38 r90; PIN_NUMBER "40" at 350.957,371.348 h0.38 r90; PIN_NUMBER "42" at 349.956,371.348 h0.38 r90; PIN_NUMBER "46" at 347.957,371.348 h0.38 r90; PIN_NUMBER "32" at 354.955,371.348 h0.38 r90; PIN_NUMBER "30" at 355.956,371.348 h0.38 r90; PIN_NUMBER "50" at 345.958,371.348 h0.38 r90; PIN_NUMBER "39" at 351.457,371.348 h0.38 r90; PIN_NUMBER "45" at 348.458,371.348 h0.38 r90; PIN_NUMBER "56" at 342.976,371.373 h0.38 r90; PIN_NUMBER "54" at 343.959,371.348 h0.38 r90; PIN_NUMBER "36" at 352.956,371.348 h0.38 r90; PIN_NUMBER "21" at 353.007,364.084 h0.38 r90; PIN_NUMBER "15" at 350.007,364.084 h0.38 r90; PIN_NUMBER "13" at 349.009,364.084 h0.38 r90; PIN_NUMBER "11" at 348.008,364.084 h0.38 r90; PIN_NUMBER "18" at 351.508,364.084 h0.38 r90; PIN_NUMBER "6" at 345.661,364.084 h0.38 r90; PIN_NUMBER "9" at 347.162,364.084 h0.38 r90; PIN_NUMBER "27" at 356.006,364.084 h0.38 r90; PIN_NUMBER "25" at 355.006,364.084 h0.38 r90; PIN_NUMBER "8" at 346.662,364.084 h0.38 r90; PIN_NUMBER "19" at 352.008,364.084 h0.38 r90; PIN_NUMBER "49" at 346.459,371.348 h0.38 r90; PIN_NUMBER "55" at 343.459,371.348 h0.38 r90; PIN_NUMBER "38" at 351.958,371.348 h0.38 r90; PIN_NUMBER "51" at 345.458,371.348 h0.38 r90; PIN_NUMBER "52" at 344.957,371.348 h0.38 r90; PIN_NUMBER "33" at 354.457,371.348 h0.38 r90; PIN_NUMBER "34" at 353.957,371.348 h0.38 r90; ASSEMBLY_TOP "SN74CBTLV16212DGGR" at 348.082,368.757 h0.89; ASSEMBLY_TOP "X" at 350.19,368.757 h0.89; ASSEMBLY_TOP "X" at 351.18,368.732 h0.89; SYMB_DIM "dgg56-12X80" at 344.919,373.405 h0.76
U9: PIN_NUMBER "15" at 270.561,343.982 h0.51 r90; PIN_NUMBER "5" at 272.537,337.729 h0.51; PIN_NUMBER "3" at 271.236,337.729 h0.51; PIN_NUMBER "1" at 269.936,337.729 h0.51; PIN_NUMBER "9" at 274.665,343.982 h0.51 r90; PIN_NUMBER "12" at 272.512,343.982 h0.51 r90; PIN_NUMBER "4" at 271.887,337.729 h0.51; PIN_NUMBER "6" at 273.187,337.729 h0.51; PIN_NUMBER "7" at 273.837,337.729 h0.51; PIN_NUMBER "2" at 270.586,337.729 h0.51; PIN_NUMBER "16" at 269.911,343.982 h0.51 r90; PIN_NUMBER "8" at 274.488,337.729 h0.51; PIN_NUMBER "13" at 271.861,343.982 h0.51 r90; PIN_NUMBER "14" at 271.211,343.982 h0.51 r90; PIN_NUMBER "10" at 273.812,343.982 h0.51 r90; PIN_NUMBER "11" at 273.162,343.982 h0.51 r90; ASSEMBLY_TOP "X" at 273.355,341.503 h1.02; ASSEMBLY_TOP "X" at 272.466,341.503 h1.02; ASSEMBLY_TOP "SN74CBTLV3257PW" at 271.577,341.503 h1.02; SYMB_DIM "0" at 263.068,340.487 h1.02; SYMB_DIM "0" at 271.907,334.01 h1.02; SYMB_DIM "TSSOP16-14X70" at 265.43,352.425 h1.02; SYMB_DIM "PAD 14X70 OV" at 266.192,327.279 h1.02
U10: PIN_NUMBER "12" at 311.247,309.692 h0.51 r90; PIN_NUMBER "9" at 313.4,309.692 h0.51 r90; PIN_NUMBER "15" at 309.296,309.692 h0.51 r90; PIN_NUMBER "4" at 310.622,303.439 h0.51; PIN_NUMBER "1" at 308.671,303.439 h0.51; PIN_NUMBER "7" at 312.572,303.439 h0.51; PIN_NUMBER "3" at 309.971,303.439 h0.51; PIN_NUMBER "6" at 311.922,303.439 h0.51; PIN_NUMBER "2" at 309.321,303.439 h0.51; PIN_NUMBER "5" at 311.272,303.439 h0.51; PIN_NUMBER "16" at 308.646,309.692 h0.51 r90; PIN_NUMBER "8" at 313.223,303.439 h0.51; PIN_NUMBER "13" at 310.596,309.692 h0.51 r90; PIN_NUMBER "14" at 309.946,309.692 h0.51 r90; PIN_NUMBER "10" at 312.547,309.692 h0.51 r90; PIN_NUMBER "11" at 311.897,309.692 h0.51 r90; ASSEMBLY_TOP "X" at 312.09,307.213 h1.02; ASSEMBLY_TOP "X" at 311.201,307.213 h1.02; ASSEMBLY_TOP "SN74CBTLV3257PW" at 310.312,307.213 h1.02; SYMB_DIM "0" at 301.803,306.197 h1.02; SYMB_DIM "0" at 310.642,299.72 h1.02; SYMB_DIM "TSSOP16-14X70" at 304.165,318.135 h1.02; SYMB_DIM "PAD 14X70 OV" at 304.927,292.989 h1.02